# KiCad board PC110.kicad_pcb (continued)
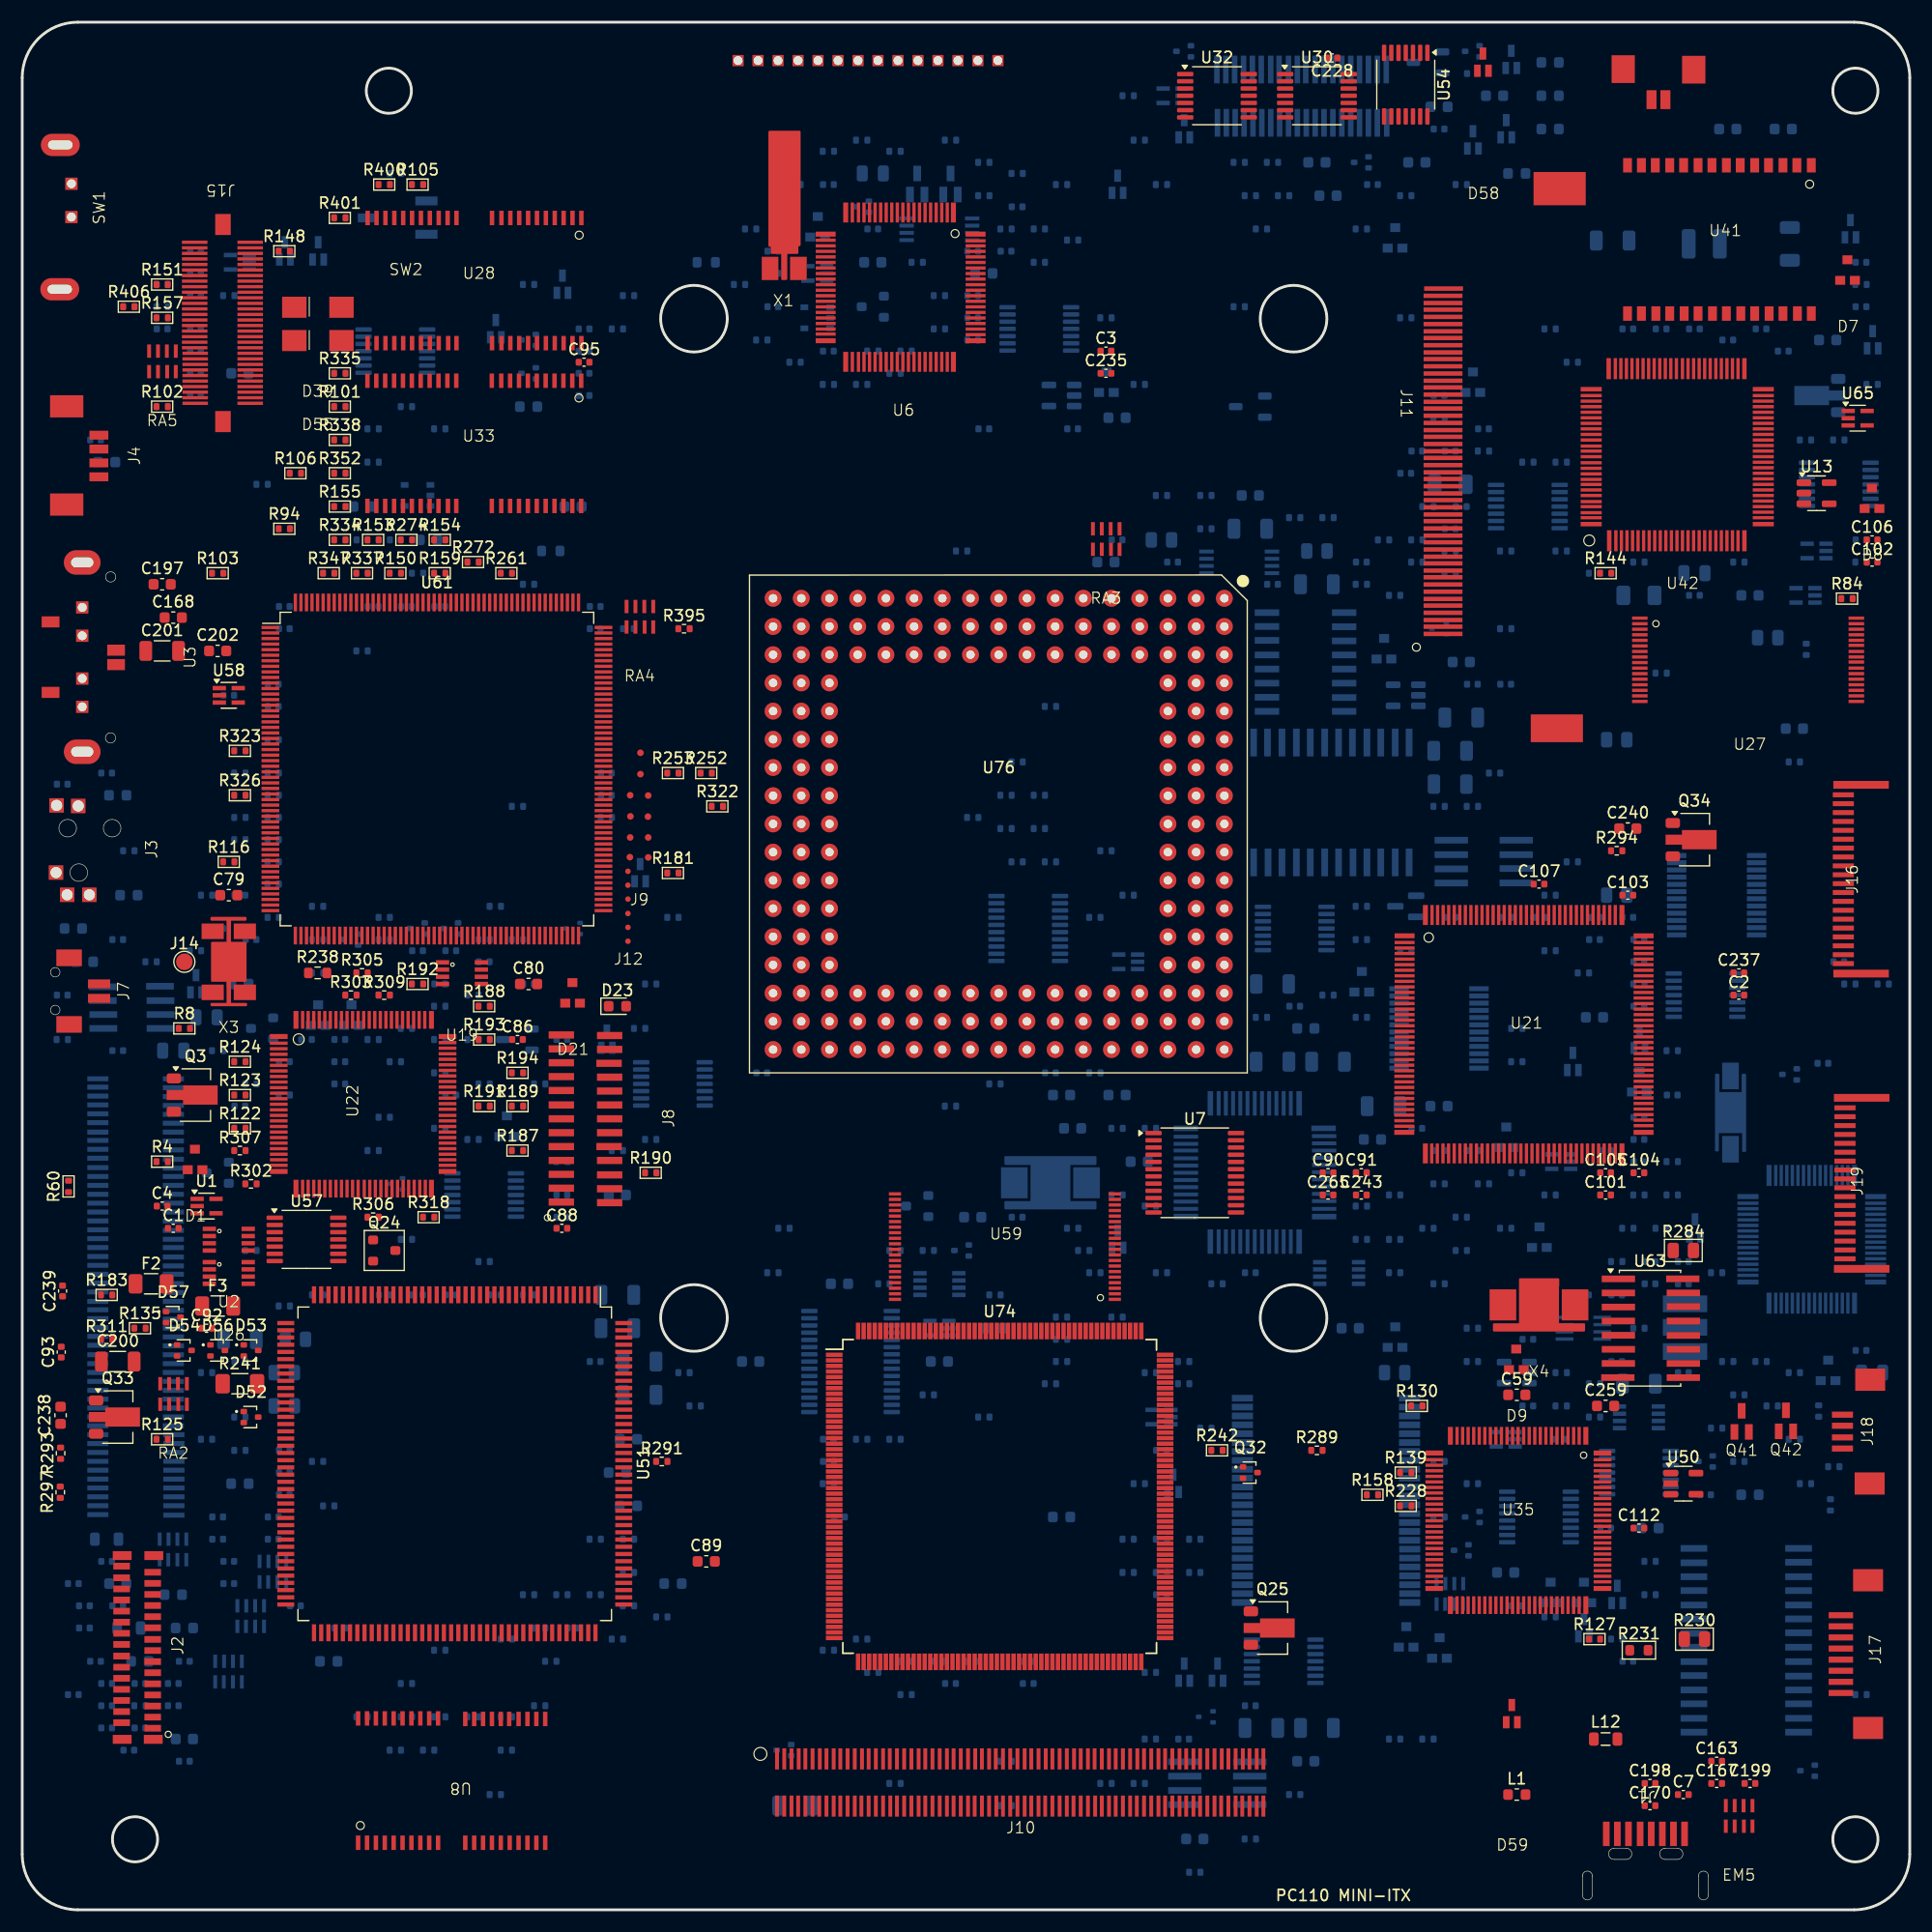
[diagram p0: board, top side]
## Nets (continued)
/Keyboard and Trackpoint/D171_P1A1: J19.8 U75.20
/Keyboard and Trackpoint/D171_P1A2: J19.17 U75.19
/Keyboard and Trackpoint/D171_P1A3: J19.7 U75.18
/Keyboard and Trackpoint/KB1_0: J17.8 U67.56
/Keyboard and Trackpoint/KB1_1: J17.7 U67.55
/Keyboard and Trackpoint/KB1_2: J17.1 U67.54
/Keyboard and Trackpoint/KB1_3: J17.6 U67.53
/Keyboard and Trackpoint/KB1_4: J17.2 U67.52
/Keyboard and Trackpoint/KB1_5: J17.5 U67.51
/Keyboard and Trackpoint/KB1_6: J17.3 U67.50
/Keyboard and Trackpoint/KB1_7: J17.4 U67.49
/Keyboard and Trackpoint/KB2_1: J16.18 U67.33
/Keyboard and Trackpoint/KB2_2: J16.6 U67.34
/Keyboard and Trackpoint/KB2_3: J16.17 U67.35
/Keyboard and Trackpoint/KB2_4: J16.14 U67.36
/Keyboard and Trackpoint/KB2_5: J16.16 U67.37
/Keyboard and Trackpoint/KB2_6: J16.9 U67.38
/Keyboard and Trackpoint/KB2_7: J16.5 U67.39
/Keyboard and Trackpoint/KB2_8: J16.10 U67.40
/Keyboard and Trackpoint/KB2_9: J16.8 U67.41
/Keyboard and Trackpoint/KB2_10: J16.11 U67.42
/Keyboard and Trackpoint/KB2_11: J16.7 U67.43
/Keyboard and Trackpoint/KB2_12: J16.12 U67.44
/Keyboard and Trackpoint/KB2_13: J16.13 U67.45
/Keyboard and Trackpoint/KB2_14: J16.15 U67.46
/Keyboard and Trackpoint/KB2_15: J16.20 U67.47
/Keyboard and Trackpoint/KB2_16: J16.19 U67.48
/Keyboard and Trackpoint/TRKPD_Lclick: J16.4 J19.10 R206.1 U75.4
/Keyboard and Trackpoint/TRKPD_Rclick: J16.3 J19.11 R196.1 U75.5
/Memory/RAM_LCASL#: J15.48 R272.2 RA5.3 U33.32
/Memory/RAM_LCASU#: J15.12 R274.2 RA5.1 U28.32
/Memory/RAM_UCASL#: J15.47 R159.1 RA5.4 U33.31
/Memory/RAM_UCASU#: J15.13 R261.2 RA5.2 U28.31
/PCMCIA/ABVD1: J10.59 R163.2 U74.61
/PCMCIA/ABVD2: J10.57 R176.2 U74.59
/PCMCIA/ACA0: J10.58 U74.60
/PCMCIA/ACA1: J10.56 U74.58
/PCMCIA/ACA2: J10.54 U74.57
/PCMCIA/ACA3: J10.52 U74.55
/PCMCIA/ACA4: J10.50 U74.53
/PCMCIA/ACA5: J10.48 U74.50
/PCMCIA/ACA6: J10.46 U74.49
/PCMCIA/ACA7: J10.44 U74.47
/PCMCIA/ACA8: J10.24 U74.30
/PCMCIA/ACA9: J10.22 U74.28
/PCMCIA/ACA10: J10.16 U74.21
/PCMCIA/ACA11: J10.20 U74.25
/PCMCIA/ACA12: J10.42 U74.45
/PCMCIA/ACA13: J10.26 U74.33
/PCMCIA/ACA14: J10.28 U74.35
/PCMCIA/ACA15: J10.40 U74.43
/PCMCIA/ACA16: J10.38 U74.41
/PCMCIA/ACA17: J10.25 U74.32
/PCMCIA/ACA18: J10.27 U74.34
/PCMCIA/ACA19: J10.29 U74.36
/PCMCIA/ACA20: J10.31 U74.38
/PCMCIA/ACA21: J10.33 U74.40
/PCMCIA/ACA22: J10.39 U74.42
/PCMCIA/ACA23: J10.41 U74.44
/PCMCIA/ACA24: J10.43 U74.46
/PCMCIA/ACA25: J10.45 U74.48
/PCMCIA/ACD0: J10.60 U74.62
/PCMCIA/ACD1: J10.62 U74.64
/PCMCIA/ACD1#: J10.5 R117.2 U74.10
/PCMCIA/ACD2: J10.64 U74.66
/PCMCIA/ACD2#: J10.67 R177.2 U74.69
/PCMCIA/ACD3: J10.4 U74.9
/PCMCIA/ACD4: J10.6 U74.11
/PCMCIA/ACD5: J10.8 U74.13
/PCMCIA/ACD6: J10.10 U74.15
/PCMCIA/ACD7: J10.12 U74.17
/PCMCIA/ACD8: J10.61 U74.63
/PCMCIA/ACD9: J10.63 U74.65
/PCMCIA/ACD10: J10.65 U74.67
/PCMCIA/ACD11: J10.7 U74.12
/PCMCIA/ACD12: J10.9 U74.14
/PCMCIA/ACD13: J10.11 U74.16
/PCMCIA/ACD14: J10.13 U74.18
/PCMCIA/ACD15: J10.15 U74.20
/PCMCIA/ACE1#: J10.14 U74.19
/PCMCIA/ACE2#: J10.17 U74.22
/PCMCIA/ACIORD#: J10.21 U74.26
/PCMCIA/ACIOWR#: J10.23 U74.29
/PCMCIA/AINPACK#: J10.53 R179.2 U74.56
/PCMCIA/AOE#: J10.18 U74.23
/PCMCIA/ARDY: J10.32 R174.2 U74.39
/PCMCIA/AREG#: J10.55 U74.8
/PCMCIA/ARESET: J10.49 U74.51
/PCMCIA/AVPP: C124.2 J10.36 J10.37 U70.8
/PCMCIA/AWAIT: J10.51 R164.2 U74.54
/PCMCIA/AWE#: J10.30 U74.37
/PCMCIA/AWP: J10.66 R168.2 U74.68
/PCMCIA/B5VDET: J10.89 U74.6
/PCMCIA/BBVD1: J10.129 R175.1 U74.124
/PCMCIA/BBVD2: J10.127 R170.2 U74.122
/PCMCIA/BCA0: J10.128 U74.123
/PCMCIA/BCA1: J10.126 U74.121
/PCMCIA/BCA2: J10.124 U74.120
/PCMCIA/BCA3: J10.122 U74.118
/PCMCIA/BCA4: J10.120 U74.115
/PCMCIA/BCA5: J10.118 U74.113
/PCMCIA/BCA6: J10.116 U74.112
/PCMCIA/BCA7: J10.114 U74.109
/PCMCIA/BCA8: J10.94 U74.93
/PCMCIA/BCA9: J10.92 U74.91
/PCMCIA/BCA10: J10.86 U74.85
/PCMCIA/BCA11: J10.90 U74.89
/PCMCIA/BCA12: J10.112 U74.107
/PCMCIA/BCA13: J10.96 U74.95
/PCMCIA/BCA14: J10.98 U74.97
/PCMCIA/BCA15: J10.110 U74.105
/PCMCIA/BCA16: J10.108 U74.103
/PCMCIA/BCA17: J10.95 U74.94
/PCMCIA/BCA18: J10.97 U74.96
/PCMCIA/BCA19: J10.99 U74.98
/PCMCIA/BCA20: J10.101 U74.100
/PCMCIA/BCA21: J10.103 U74.102
/PCMCIA/BCA22: J10.109 U74.104
/PCMCIA/BCA23: J10.111 U74.106
/PCMCIA/BCA24: J10.113 U74.108
/PCMCIA/BCA25: J10.115 U74.110
/PCMCIA/BCD0: J10.130 U74.125
/PCMCIA/BCD1: J10.132 U74.127
/PCMCIA/BCD1#: J10.75 R312.2 U74.73
/PCMCIA/BCD2: J10.134 U74.129
/PCMCIA/BCD2#: J10.137 R165.1 U74.132
/PCMCIA/BCD3: J10.74 U74.72
/PCMCIA/BCD4: J10.76 U74.74
/PCMCIA/BCD5: J10.78 U74.76
/PCMCIA/BCD6: J10.80 U74.78
/PCMCIA/BCD7: J10.82 U74.81
/PCMCIA/BCD8: J10.131 U74.126
/PCMCIA/BCD9: J10.133 U74.128
/PCMCIA/BCD10: J10.135 U74.130
/PCMCIA/BCD11: J10.77 U74.75
/PCMCIA/BCD12: J10.79 U74.77
/PCMCIA/BCD13: J10.81 U74.80
/PCMCIA/BCD14: J10.83 U74.82
/PCMCIA/BCD15: J10.85 U74.84
/PCMCIA/BCE1#: J10.84 U74.83
/PCMCIA/BCE2#: J10.87 U74.86
/PCMCIA/BCIORD#: J10.91 U74.90
/PCMCIA/BCIOWR#: J10.93 U74.92
/PCMCIA/BINPACK#: J10.123 R172.1 U74.119
/PCMCIA/BOE#: J10.88 U74.87
/PCMCIA/BRDY: J10.102 R166.2 U74.101
/PCMCIA/BREG#: J10.125 U74.71
/PCMCIA/BRESET: J10.119 U74.114
/PCMCIA/BVPP: C273.1 J10.106 J10.107 U70.23
/PCMCIA/BWAIT: J10.121 R169.2 U74.116
/PCMCIA/BWE#: J10.100 U74.99
/PCMCIA/BWP: J10.136 R178.1 U74.131
/Power/M38_COM0: U6.77 U43.14
/Power/M38_COM1: U6.76 U43.13
/Power/M38_COM2: U6.75 U43.12
/Power/M38_COM3: U6.74 U43.11
/Power/M38_P10_R413: Q42.3 R411.2 R413.1
/Power/M38_P11_R167: Q39.3 R167.1 R171.2
/Power/M38_P12_R407: Q41.3 R407.2 R408.2
/Power/M38_P13_R390: Q40.3 R385.1 R390.1
/Power/M38_SEG0: U6.70 U43.1
/Power/M38_SEG1: U6.69 U43.2
/Power/M38_SEG2: U6.68 U43.3
/Power/M38_SEG3: U6.67 U43.4
/Power/M38_SEG4: U6.66 U43.5
/Power/M38_SEG5: U6.65 U43.6
/Power/M38_SEG6: U6.64 U43.7
/Power/M38_SEG7: U6.63 U43.8
/Power/M38_SEG8: U6.62 U43.9
/Power/M38_SEG9: U6.61 U43.10
/Power/Touch_X+: J18.2 R207.2 R386.1
/Power/Touch_X-: J18.3 Q41.2
/Power/Touch_Y+: J18.1 R208.2 R388.1
/Power/Touch_Y-: J18.4 Q42.2
/Power/U32_R: Q12.3 R81.2 U32.1 U32.13
/Power/U54_Q: D11.2 J5.25 R235.2 U54.5
/VGA Controller/LCD_24: C174.1 EM4.1 J2.24
/VGA Controller/LCD_B0: C173.1 EM1.4 J2.8
/VGA Controller/LCD_B1: C183.1 EM1.3 J2.9
/VGA Controller/LCD_B2: C194.1 EM1.2 J2.10
/VGA Controller/LCD_B3: C181.1 EM1.1 J2.11
/VGA Controller/LCD_B4: C180.1 EM3.4 J2.17
/VGA Controller/LCD_G0: C182.1 EM3.3 J2.18
/VGA Controller/LCD_G1: C187.1 EM3.2 J2.19
/VGA Controller/LCD_G2: C186.1 EM3.1 J2.20
/VGA Controller/LCD_G3: C191.1 EM2.4 J2.12
/VGA Controller/LCD_G4: C184.1 EM2.3 J2.13
/VGA Controller/LCD_R0: C185.1 EM2.2 J2.14
/VGA Controller/LCD_R1: C169.1 EM2.1 J2.15
/VGA Controller/LCD_R2: C196.1 EM4.4 J2.21
/VGA Controller/LCD_R3: C175.1 EM4.3 J2.22
/VGA Controller/LCD_R4: C178.1 EM4.2 J2.23
AEN: U21.114 U22.44 U35.6 U61.21 U69.6 U74.187
BIOS_SA17: U35.54 U59.40
Bowman1: U21.45 U61.78
Bowman2: U21.140 U61.75
Bowman3: R149.2 U61.76
Bowman4: U21.52 U61.77
Bowman5: R57.1 U7.3 U21.130 U61.61
Bowman5_Buff: U7.22 U60.1
Bowman_Audio_Vol_Dn: U21.128 U48.7
Bowman_Audio_Vol_Up: U21.127 U48.2
Bowman_CLK: R340.2 U21.40
Bowman_ESS_DACK1#: R372.2 U21.122 U72.10
CF_CD1_Pluto: J11.2 R173.2 U35.27
CF_CD2_Pluto: J11.49 R161.1 U35.26
Chipset_2XCPU_CLK: R359.2 U61.105
Chipset_32KHz: U21.51 U51.109 U61.73
Chipset_BIOS_CE#: U59.22 U61.20
Chipset_CLK: R341.1 U61.53
Chipset_CPU_CLK: R251.1 R252.1 R255.1 R257.2 U61.125
Chipset_CPU_CLK_Sense: R253.2 U61.129
Chipset_FDC_TC: U22.33 U61.22
Chipset_SA16: U59.1 U61.2 U74.184
Chipset_Sound: R74.2 U61.54
CMOS_BATT_Sense: J4.4 R41.2 U6.6
CPU_A2: U21.10 U51.135 U61.83 U76.Q14
CPU_A3: U21.11 U51.136 U61.84 U76.R15
CPU_A4: U21.12 U51.137 U61.85 U76.S16
CPU_A5: U21.13 U51.138 U61.86 U76.Q12
CPU_A6: U21.14 U51.140 U61.87 U76.S15
CPU_A7: U21.15 U51.141 U61.88 U76.Q13
CPU_A8: U21.16 U51.143 U61.89 U76.R13
CPU_A9: U21.17 U51.144 U61.90 U76.Q11
CPU_A10: U21.19 U51.145 U61.91 U76.S13
CPU_A11: U21.20 U51.146 U61.92 U76.R12
CPU_A12: U21.21 U51.147 U61.93 U76.S7
CPU_A13: U21.22 U51.148 U61.95 U76.Q10
CPU_A14: U21.23 U51.149 U61.96 U76.S5
CPU_A15: U21.24 U51.150 U61.97 U76.R7
CPU_A16: U21.25 U51.151 U61.98 U76.Q9
CPU_A17: U21.26 U51.152 U61.99 U76.Q3
CPU_A18: U21.27 U51.153 U61.100 U76.R5
CPU_A19: U21.29 U51.1 U61.101 U76.Q4
CPU_A20: U21.30 U51.2 U61.102 U76.Q8
CPU_A20M#: J9.7 U61.134 U76.D15
CPU_A21: U21.31 U51.3 U61.103 U76.Q5
CPU_A22: U21.32 U51.4 U61.106 U76.Q7
CPU_A23: U21.33 U51.5 U61.107 U76.S3
CPU_A24: U21.34 U61.108 U76.Q6
CPU_A25: U21.35 U61.109 U76.R2
CPU_A31: J12.6 U61.110 U76.Q1
CPU_ADS#: U21.49 U51.9 U61.112 U76.S17
CPU_AHOLD: J12.5 U61.118 U76.A17
CPU_BE0#: J9.6 U51.133 U61.121 U76.K15
CPU_BE1#: J9.3 U51.8 U61.122 U76.J16
CPU_BE2#: J9.8 U51.134 U61.123 U76.J15
CPU_BE3#: J9.5 U51.7 U61.124 U76.F17
CPU_BLAST#: J12.1 U61.113 U76.R16
CPU_BRDY#: J9.2 U61.114 U76.H15
CPU_BS16#: U51.40 U76.C17
CPU_D0: J15.1 U28.2 U51.31 U61.145 U76.P1
CPU_D1: J15.2 U28.3 U51.30 U61.146 U76.N2
CPU_D2: J15.3 U28.4 U51.28 U61.147 U76.N1
CPU_D3: J15.4 U28.5 U51.27 U61.148 U76.H2
CPU_D4: J15.6 U28.7 U51.26 U61.149 U76.M3
CPU_D5: J15.7 U28.8 U51.25 U61.150 U76.J2
CPU_D6: J15.8 U28.9 U51.24 U61.151 U76.L2
CPU_D7: J15.9 U28.10 U51.23 U61.152 U76.L3
CPU_D8: J15.51 U28.35 U51.21 U61.153 U76.F2
CPU_D9: J15.52 U28.36 U51.20 U61.154 U76.D1
CPU_D10: J15.53 U28.37 U51.18 U61.155 U76.E3
CPU_D11: J15.54 U28.38 U51.17 U61.158 U76.C1
CPU_D12: J15.56 U28.40 U51.16 U61.159 U76.G3
CPU_D13: J15.57 U28.41 U51.15 U61.160 U76.D2
CPU_D14: J15.58 U28.42 U51.14 U61.161 U76.K3
CPU_D15: J15.59 U28.43 U51.13 U61.162 U76.F3
CPU_D16: J15.22 U33.2 U51.82 U61.163 U76.J3
CPU_D17: J15.23 U33.3 U51.84 U61.164 U76.D3
CPU_D18: J15.24 U33.4 U51.85 U61.165 U76.C2
CPU_D19: J15.25 U33.5 U51.87 U61.166 U76.B1
CPU_D20: J15.27 U33.7 U51.88 U61.167 U76.A1
CPU_D21: J15.28 U33.8 U51.89 U61.168 U76.B2
CPU_D22: J15.29 U33.9 U51.90 U61.169 U76.A2
CPU_D23: J15.30 U33.10 U51.91 U61.170 U76.A4
CPU_D24: J15.32 U33.35 U51.92 U61.171 U76.A6
CPU_D25: J15.33 U33.36 U51.93 U61.172 U76.B6
CPU_D26: J15.34 U33.37 U51.94 U61.173 U76.C7
CPU_D27: J15.35 U33.38 U51.95 U61.174 U76.C6
CPU_D28: J15.37 U33.40 U51.96 U61.175 U76.C8
CPU_D29: J15.38 U33.41 U51.97 U61.176 U76.A8
CPU_D30: J15.39 U33.42 U51.98 U61.177 U76.C9
CPU_D31: J15.40 U33.43 U51.99 U61.178 U76.B8
CPU_DC#: U21.41 U61.132 U76.M15
CPU_EADS#: J12.4 U61.133 U76.B17
CPU_FLUSH#: J12.2 U61.136 U76.C15
CPU_HLDA: J9.4 U61.119 U76.P15
CPU_HOLD: J9.1 U61.117 U76.E15
CPU_INTR: U21.133 U61.137 U76.A16
CPU_KEN#: J12.3 U61.116 U76.F15
CPU_LDEV#: U21.43 U51.36 U61.111
CPU_MIO#: U21.50 U51.10 U61.131 U76.N16
CPU_NMI: J9.10 U61.138 U76.A15
CPU_RDY#: U21.134 U51.34 U51.37 U61.115 U76.F16
CPU_RESET: U21.46 U61.135 U76.C16
CPU_SMI#: U61.141 U76.B10
CPU_SMIACT#: U9.1 U61.140 U76.C12
CPU_SRESET: J9.9 U61.139 U76.C10
CPU_STPCLK#: U35.62 U61.144 U76.G15
CPU_WR#: U21.42 U51.33 U61.120 U76.N17
D4_3: D4.3 J5.35
D11_2: C62.2 D11.3 D12.1 R88.1 U17.2
D18_2_3: D37.1 D37.2 J5.21 R397.2
D28_1: C221.2 D50.1 J5.12 Q36.2 U70.7 U70.24
D46_1: D46.1 J5.39
Dock_PWR_IN-: J5.5 J5.36 J5.37 J13.53 J13.54 J13.55 J13.56 J13.57
EN_LCD_VAA: R397.1 U35.83
EN_RS232: J13.79 U35.77
Enable_IRDA_Buf: Q24.1 R242.2 U7.15 U26.1 U26.7 U57.4 U57.10
ESS_AEN: U4.40 U72.16
ESS_CLK: R70.1 R344.2
ESS_DACK1#: U4.36 U72.15
ESS_DRDY: U4.21 U66.6
ESS_IRQ1: R29.1 U4.16 U73.13
ESS_IRQ1_Buf: U21.118 U73.7
ESS_IRQ2: U4.18 U73.15
ESS_IRQ2_Buf: U21.87 U73.5
ESS_Sound: C18.1 U4.9
F65_ENAVEE: D37.3 J5.26 R237.1 U51.47
FCS_BVD1: J11.42 U42.50
FCS_BVD2: J11.40 U42.49
FCS_IOCHRDY: J11.34 R323.2 U22.98 U42.47 U61.23 U74.188
FCS_RESET: J11.32 R184.1 U42.36 U58.4 U72.11
FDC_ACK#: J13.71 R136.1 U22.60
FDC_AUTOFD#: J13.73 R141.1 U22.74
FDC_BUSY: J13.22 R143.2 U22.59
FDC_CLK: R332.2 U22.18
FDC_CTS1#: J8.8 R191.1 U22.80
FDC_CTS2#: J13.82 R303.2 U22.90
FDC_DACK#: R118.1 U21.120 U22.34
FDC_DCD1#: J8.4 R187.1 U22.83
FDC_DCD2#: J13.17 R309.2 U22.85
FDC_DIR#: J13.7 U22.5
FDC_DRATE0: R302.2 U22.17 U57.2
FDC_DRATE1: R306.2 U22.16 U57.12
FDC_DS3: U21.123 U22.95 U69.1
FDC_DSKCHG#: J13.12 R122.2 U22.15
FDC_DSR1: J8.7 R189.1 U22.78
FDC_DSR2#: J13.84 R305.2 U22.88
FDC_DTR1#: R192.1 U22.81 U64.9
FDC_DTR2#: J13.20 U22.91
FDC_ERROR#: J13.77 R142.1 U22.73
FDC_FDRQ: U21.115 U22.50
FDC_FINTR: U21.82 U22.38
FDC_HDCS0#: R366.2 U22.23 U68.1
FDC_HDCS1#: R367.2 U22.24 U68.2
FDC_HDSEL#: J13.11 U22.9
FDC_IDE7: J11.11 R369.2 U22.20 U42.13
FDC_INIT#: J13.72 R133.1 U22.72
FDC_IOW: U23.2 U35.58
FDC_IRRX_RXD2: R315.1 U22.86 U26.3 U57.8
FDC_IRTX_TXD2: R183.2 U22.87 U26.2 U57.5
FDC_MTR2#: R310.1 U21.121 U22.94
FDC_MTR3#: U21.117 U22.97
FDC_PD0: J13.30 U22.69
FDC_PD1: J13.29 U22.68
FDC_PD2: J13.28 U22.67
FDC_PD3: J13.27 U22.66
FDC_PD4: J13.26 U22.64
FDC_PD5: J13.25 U22.63
FDC_PD6: J13.76 U22.62
FDC_PD7: J13.24 U22.61
FDC_PE: J13.78 R138.1 U22.58
FDC_RDATA#: J13.91 R307.2 U22.14
FDC_RI1#: J8.5 R190.1 U22.82
FDC_RI2#: J13.81 R311.1 U22.84
FDC_RTS1#: R193.1 U22.79 U64.5
FDC_RTS2#: J13.83 U22.89
FDC_RXD1: J8.10 R194.1 U22.76
FDC_SLCT: J13.23 R140.2 U22.57
FDC_SLCTIN#: J13.74 R132.1 U22.71
FDC_STEP#: J13.94 U22.6
FDC_STROBE#: J13.31 R137.1 U22.75
FDC_TRK0#: J13.9 R124.2 U22.11
FDC_TXD1: R188.1 U22.77 U64.2
FDC_TXD2_EN: R8.1 U2.5 U57.6
FDC_UART1_EN: D32.1 R180.2 U35.76 U64.1 U64.4 U64.10
FDC_WDATA#: J13.8 U22.7
FDC_WGATE#: J13.93 U22.8
FDC_WRTPRT#: J13.10 R125.1 U22.12
FDD_Bowman: J13.90 R144.2 U21.125
FDD_DRSEL: J13.5 U22.2
FDD_INDEX#: J13.4 R123.2 U22.10
FDD_MOTEN: J13.6 U22.100
FDD_Pluto1: D28.2 J13.98
FDD_Pluto2: D26.2 J13.97
FDD_Pluto3: D29.2 J13.95
FDD_Pluto4: D27.2 J13.92
IOCS16#: J11.47 R319.2 U22.25 U42.52 U61.28 U74.158
IOR#: R295.2 R296.1 R326.2 R364.1 U21.112 U22.42 U35.86 U56.1 U66.3 U66.5 U67.5 U72.7 U74.185
IOW#: R298.2 R299.2 R318.1 U21.113 U25.2 U35.89 U56.4 U67.4 U72.8 U74.186
IRQ3: R115.2 U21.85 U22.35 U74.170
IRQ4: R384.2 U21.84 U22.36 U74.172
IRQ5: R387.2 U21.83 U22.92 U74.174
IRQ7: R389.2 U21.81 U22.37 U74.177
IRQ9: R325.2 U21.79 U74.198
IRQ10: R394.2 U21.78 U74.156
IRQ11: R396.2 U21.77 U74.154
IRQ14: J11.24 R365.1 U21.75 U42.46 U74.148
IRQ15: R391.2 U21.74 U74.150
KB_CAPLED#: U67.27 U72.4
KB_CNTR#: U35.61 U67.59
KB_INIT1: EM5.5 J13.14 RA2.5 U67.17
KB_INIT2: EM5.6 J13.15 RA2.6 U67.16
KB_INIT3: EM5.8 J13.86 RA2.8 U67.13
KB_INIT4: EM5.7 J13.87 RA2.7 U67.12
KB_IRQ1: U21.86 U67.15
KB_IRQ12: U21.76 U67.14
KB_KBCSMI: U67.32 U73.12
KB_NUMLED#: U67.26 U72.3
KB_PADLED#: U67.28 U72.5
KB_RESET#: C267.2 D16.1 D16.3 R109.2 U21.48 U35.66 U40.4 U40.10 U45.3 U61.70 U67.19
KB_RXD: U67.11 U73.9
KB_SCLK#: R45.1 U7.8 U67.9
KB_SCLK_shift: Q8.3 U7.17
KB_SCRLED#: U21.53 U67.25
KB_Sound: R78.1 U67.58
KB_SPKDN: U35.43 U61.65 U67.30 U73.16
KB_SPKUP: Q27.3 R268.1 U35.44 U67.29
KB_SPKUP_DN: J13.63 R262.1
KB_SRDY#: R59.1 U7.7 U67.8
KB_SRDY#_shift: R294.1 U7.18
KB_TP139: U67.31 U73.14
KB_TXD: U67.10 U72.6
KBCCS#: U35.60 U67.6
LA17: U61.3 U74.146
LA18: U61.4 U74.147
LA19: U61.5 U74.149
LA20: U61.6 U74.151
LA21: U61.7 U74.153
LA22: U61.8 U74.155
LA23: U61.9 U74.157
LCD_NC_L11: L16.2 R229.1 U35.5
LCD_STNDBY#: R393.2 U35.93 U51.11
LCD_VAA: C179.1 C190.1 J2.3 L15.1
M38_21: U6.55 U72.21
M38_P14: U6.42 U73.17
M38_P14_Buf: U21.107 U73.3
M38_P15: U6.41 U73.2
M38_P15_Buf: U21.106 U73.18
M38_P16_R86: J13.62 R86.1
M38_P20: J5.19 U6.38
M38_P21: J5.22 U6.37
M38_P22_R88: R89.1 U73.8
M38_P27_KB_SPKDN: U6.31 U73.4
M38_P34: J13.38 R356.1 U6.58
M38_P35: U6.57 U72.20
M38_P36: U6.56 U72.22
M38_P41: U6.23 U21.111
M38_P43: U6.21 U21.110
M38_P44: U6.20 U72.19
M38_P46: J13.39 R288.2 U6.18
M38_P52: J5.18 U6.14
M38_P53: J5.23 U6.13
M38_P60: J5.1 U6.8
M38_P61: J5.2 U6.7
M38_P63: J5.40 U6.5
M38_P64: J5.34 U6.4
M38_P65: C137.2 R214.2 U6.3 U44.1
M38_P66: C138.2 R212.2 U6.2 U44.7
M38_P67: J13.61 R60.2 U6.1
M38_P71: D4.2 R44.2 U5.3 U6.26
M38_RESET: C99.2 R81.1 R282.2 U6.25 U30.4 U53.1
M38_VREF: C216.1 C223.2 J5.31 R41.1 U6.72
MEMCS16#: R316.2 U21.119 U61.27 U74.160
MEMR#: R322.1 U36.16 U59.24 U74.145
MEMW#: R324.1 U24.1 U74.144
MIC_in_pin: C6.2 J3.4 L13.2
MIC_J17: J4.1 R30.2
MN192_VSEN#: C226.2 J8.16 R277.2 U5.11
MN195_U1RD#: J8.3 R128.2 U5.13
Modem_Audio_Out: C89.1 R32.1
Modem_VSDA#: J8.17 R127.1 U35.75
OKI_CE#: U21.142 U36.14
OKI_SA12: U21.9 U36.40
OKI_SA13: U21.7 U36.39
OKI_SA14: U21.6 U36.38
OKI_SA15: U21.5 U36.37
OKI_SA16: U21.4 U36.36
OKI_SA17: U21.3 U36.5
OKI_SA18: U21.2 U36.4
OKI_SA19: U21.143 U36.45
PCMCIA_BALE: U61.33 U74.166
PCMCIA_CLK: R317.2 U61.25
PCMCIA_CS: R160.2 U38.6 U61.56
PCMCIA_REFRESH: U61.10 U74.180
PCMCIA_SBHE#: U61.14 U74.159
PCMCIA_Sound: C207.2 R120.2 U74.202
PCMCIA_ZEROWS#: U61.24 U74.191
Pluto_50: R276.1 U35.50
Pluto_51: U21.129 U35.51
Pluto_52: R85.1 U35.52
Pluto_72: D30.1 D30.2 R156.2 U35.72
Pluto_73: D31.1 D31.2 R152.2 U35.73
Pluto_BIOS_WR_EN: D19.3 U35.53
Pluto_CLK: R348.1 U35.65
Pluto_Dock_IO1: J13.2 R139.2 U35.28
Pluto_Dock_IO2: J13.99 R130.2 U35.29
Pluto_EN_IRDA: U7.10 U35.48
Pluto_ESS_AEN: U35.79 U69.2
Pluto_IRDA_OUT: U2.6 U35.81
Pluto_Switched_PNET5: C86.1 J8.12 J8.15 Q16.3 R129.2 R187.2 R189.2 R190.2 R191.2 R194.2
PNET1: C5.1 C17.1 C26.1 C31.2 C32.1 C34.1 C37.1 C38.1 C39.1 C40.1 C41.1 C42.2 C43.1 C64.2 C65.2 C69.1 C71.2 C72.1 C73.2 C74.2 C75.1 C77.2 C78.2 C83.1 C95.1 C101.2 C102.2 C103.1 C104.2 C105.1 C106.2 C107.2 C108.2 C109.2 C110.2 C111.1 C112.2 C113.2 C114.2 C115.2 C117.2 C121.1 C122.1 C123.1 C127.2 C128.1 C140.2 C156.2 C172.2 C208.2 C211.2 C212.1 C215.1 C219.1 C242.2 C247.1 C252.1 C253.1 C254.2 C255.2 C256.2 C274.1 C275.1 C280.2 D8.2 D44.1 D52.2 D53.2 D54.2 D56.2 D57.2 J5.8 J5.33 J15.5 J15.14 J15.21 L3.1 L6.2 Q13.2 Q31.2 R45.2 R59.2 R84.2 R94.1 R96.1 R102.1 R105.1 R109.1 R110.2 R117.1 R118.2 R120.1 R127.2 R148.2 R152.1 R156.1 R157.2 R158.2 R161.2 R162.2 R165.2 R173.1 R177.1 R182.1 R215.2 R216.1 R228.1 R229.2 R246.1 R249.1 R258.1 R287.2 R292.1 R310.2 R312.1 R349.2 R372.1 R393.1 R400.2 R401.2 R403.2 RA5.5 RA5.6 RA5.7 RA5.8 SW2.1 U7.1 U7.2 U8.1 U8.6 U8.20 U9.5 U19.1 U21.1 U21.18 U21.36 U21.37 U21.54 U21.72 U21.73 U21.90 U21.108 U21.109 U21.126 U21.144 U22.13 U22.70 U23.5 U25.5 U28.1 U28.6 U28.22 U33.1 U33.6 U33.22 U35.7 U35.14 U35.38 U35.64 U35.88 U35.95 U35.97 U37.5 U38.8 U39.5 U39.8 U40.2 U40.13 U40.14 U45.2 U45.6 U45.16 U49.1 U51.19 U51.29 U51.45 U51.52 U51.62 U51.86 U51.118 U51.132 U51.139 U52.5 U61.1 U61.94 U61.126 U61.130 U61.157 U61.185 U61.196 U62.14 U64.13 U64.14 U66.14 U67.57 U69.8 U70.15 U70.16 U70.17 U72.1 U72.2 U73.20 U74.27 U74.138 U74.195 U76.B7 U76.B9 U76.B11 U76.C4 U76.C5 U76.E2 U76.E16 U76.G2 U76.G16 U76.H16 U76.J1 U76.K2 U76.K16 U76.L16 U76.M2 U76.M16 U76.P16 U76.Q2 U76.R3 U76.R6 U76.R9 U76.R10 U76.R11 U76.R14
PNET2: C2.1 C3.1 C68.1 C203.2 C204.2 C205.1 C235.1 C237.1 D34.2 J13.21 J13.80 Q11.3 R28.2 R107.2 R108.1 R183.1 R195.1 R243.1 R244.1 R245.1 R256.2 R354.2 U1.5 U2.8 U10.1 U12.6 U18.1 U18.4 U18.10 U18.13 U18.14 U21.99
PNET3: C136.1 D35.2 Q8.2 R196.2 R197.2 R198.2 R200.2 R201.2 R203.2 R204.2 R205.2 R206.2 U75.1 U75.28
PNET4: D6.2 D39.1 D55.1 J5.3 J5.4 J5.38
PNET5: C19.2 C33.1 C35.2 C84.1 C90.2 C91.1 C120.1 C243.1 C244.2 C265.2 C276.1 D12.2 D24.1 D24.3 D25.1 D25.3 D48.1 F2.2 J5.10 J5.11 J5.30 J13.40 Q1.2 Q8.1 Q11.2 Q16.2 Q17.1 Q24.2 Q25.3 Q34.3 R39.2 R47.1 R48.2 R50.1 R54.1 R55.2 R56.2 R64.1 R65.1 R88.2 R122.1 R123.1 R124.1 R125.2 R135.2 R188.2 R192.2 R193.2 R226.2 R302.1 R303.1 R305.1 R306.1 R307.1 R309.1 R311.2 R315.2 R363.2 U4.20 U4.27 U7.24 U20.8 U22.96 U26.8 U34.14 U57.14 U60.5 U70.1 U70.2 U70.25 U70.30 U71.14 U72.24
PNET6: C9.1 C14.1 C149.2 C151.1 R27.2 R28.1 R36.1 R37.1 R222.1 U47.8 U48.8
PNET7: C76.1 C81.1 C249.2 C282.1 Q13.3 R97.2 R98.1 R112.1 R115.1 R130.1 R139.1 R144.1 R300.1 R304.2 R313.1 R316.1 R319.1 R323.1 R325.1 R365.2 R373.2 R374.2 R375.2 R376.2 R377.2 R378.2 R380.2 R381.2 R384.1 R387.1 R389.1 R391.1 R394.1 R396.1 RA1.5 RA1.6 RA1.7 RA1.8 U24.5 U36.25 U36.35 U58.5 U59.30 U59.31 U61.15 U61.43
PNET8: C118.1 C139.2 Q17.2 Q39.1 Q40.1 R171.1 R385.2 U44.8
PNET9: C116.1 C278.2 C279.1 J10.104 J10.105 R166.1 R169.1 R170.1 R172.2 R175.2 R178.2 R379.2 U70.20 U74.88 U74.117
PNET10: C87.1 C119.1 C126.1 J10.34 J10.35 R126.1 R163.1 R164.1 R168.1 R174.1 R176.1 R179.1 U70.10 U74.24 U74.52
PNET12: C94.1 C133.1 C236.1 C241.2 C262.2 C263.2 C271.1 F4.1 Q37.3 R134.2 R292.2 R300.2 R360.2 R361.2 R369.1 U27.8 U42.5 U42.15 U42.38 U42.56 U42.65 U42.88 U56.14 U65.5 U68.14
PS2_L1_Pluto: L1.1 R228.2 U35.30
PSU_AUX_SW1: J5.28 R42.1 U5.1
PWRGD: D20.2 R314.1 U7.9 U19.6 U21.47 U22.56 U35.67 U38.3 U66.12
PWRGD_shift: C248.1 R87.2 U7.16 U20.1
PWRGD_shift_buff: D14.3 D15.3 R181.2 U6.27 U20.7 U60.2 U71.1 U71.10 U71.13
Q43_2: C222.2 D51.1 J5.13 Q20.2
R73_2: C66.2 J5.15 R104.2
R284_2: C218.1 J5.14 R266.1 R281.2
R412_1: J5.20 R409.1 R410.1 R412.1
RAM_A0: J15.17 R346.1 R400.1 R404.1 U28.18 U33.18
RAM_A1: J15.18 R338.1 R403.1 R406.1 U28.19 U33.19
RAM_A2: J15.19 R342.1 R401.1 R402.1 U28.20 U33.20
RAM_A3: J15.20 R337.1 R405.1 U28.21 U33.21
RAM_A4: J15.41 R155.2 R334.1 U28.24 U33.24
RAM_A5: J15.42 R153.2 R333.1 U28.25 U33.25
RAM_A6: J15.43 R150.1 R343.1 U28.26 U33.26
RAM_A7: J15.44 R352.1 U28.27 U33.27
RAM_A8: J15.45 R347.1 U28.28 U33.28
RAM_A9: J15.46 R329.1 U28.29 U33.29